# Altium PCB AD9838模块.PcbDoc
Units mil, origin at the board's own origin, x right, y up, seen from the top; angles counter-clockwise.
Board outline 1550 x 1550 mil, 2 copper layers (Top Layer, Bottom Layer); 57 components, 31 nets, 157 pads, 15 vias.
Unrouted connection lines stored in the file: 1.
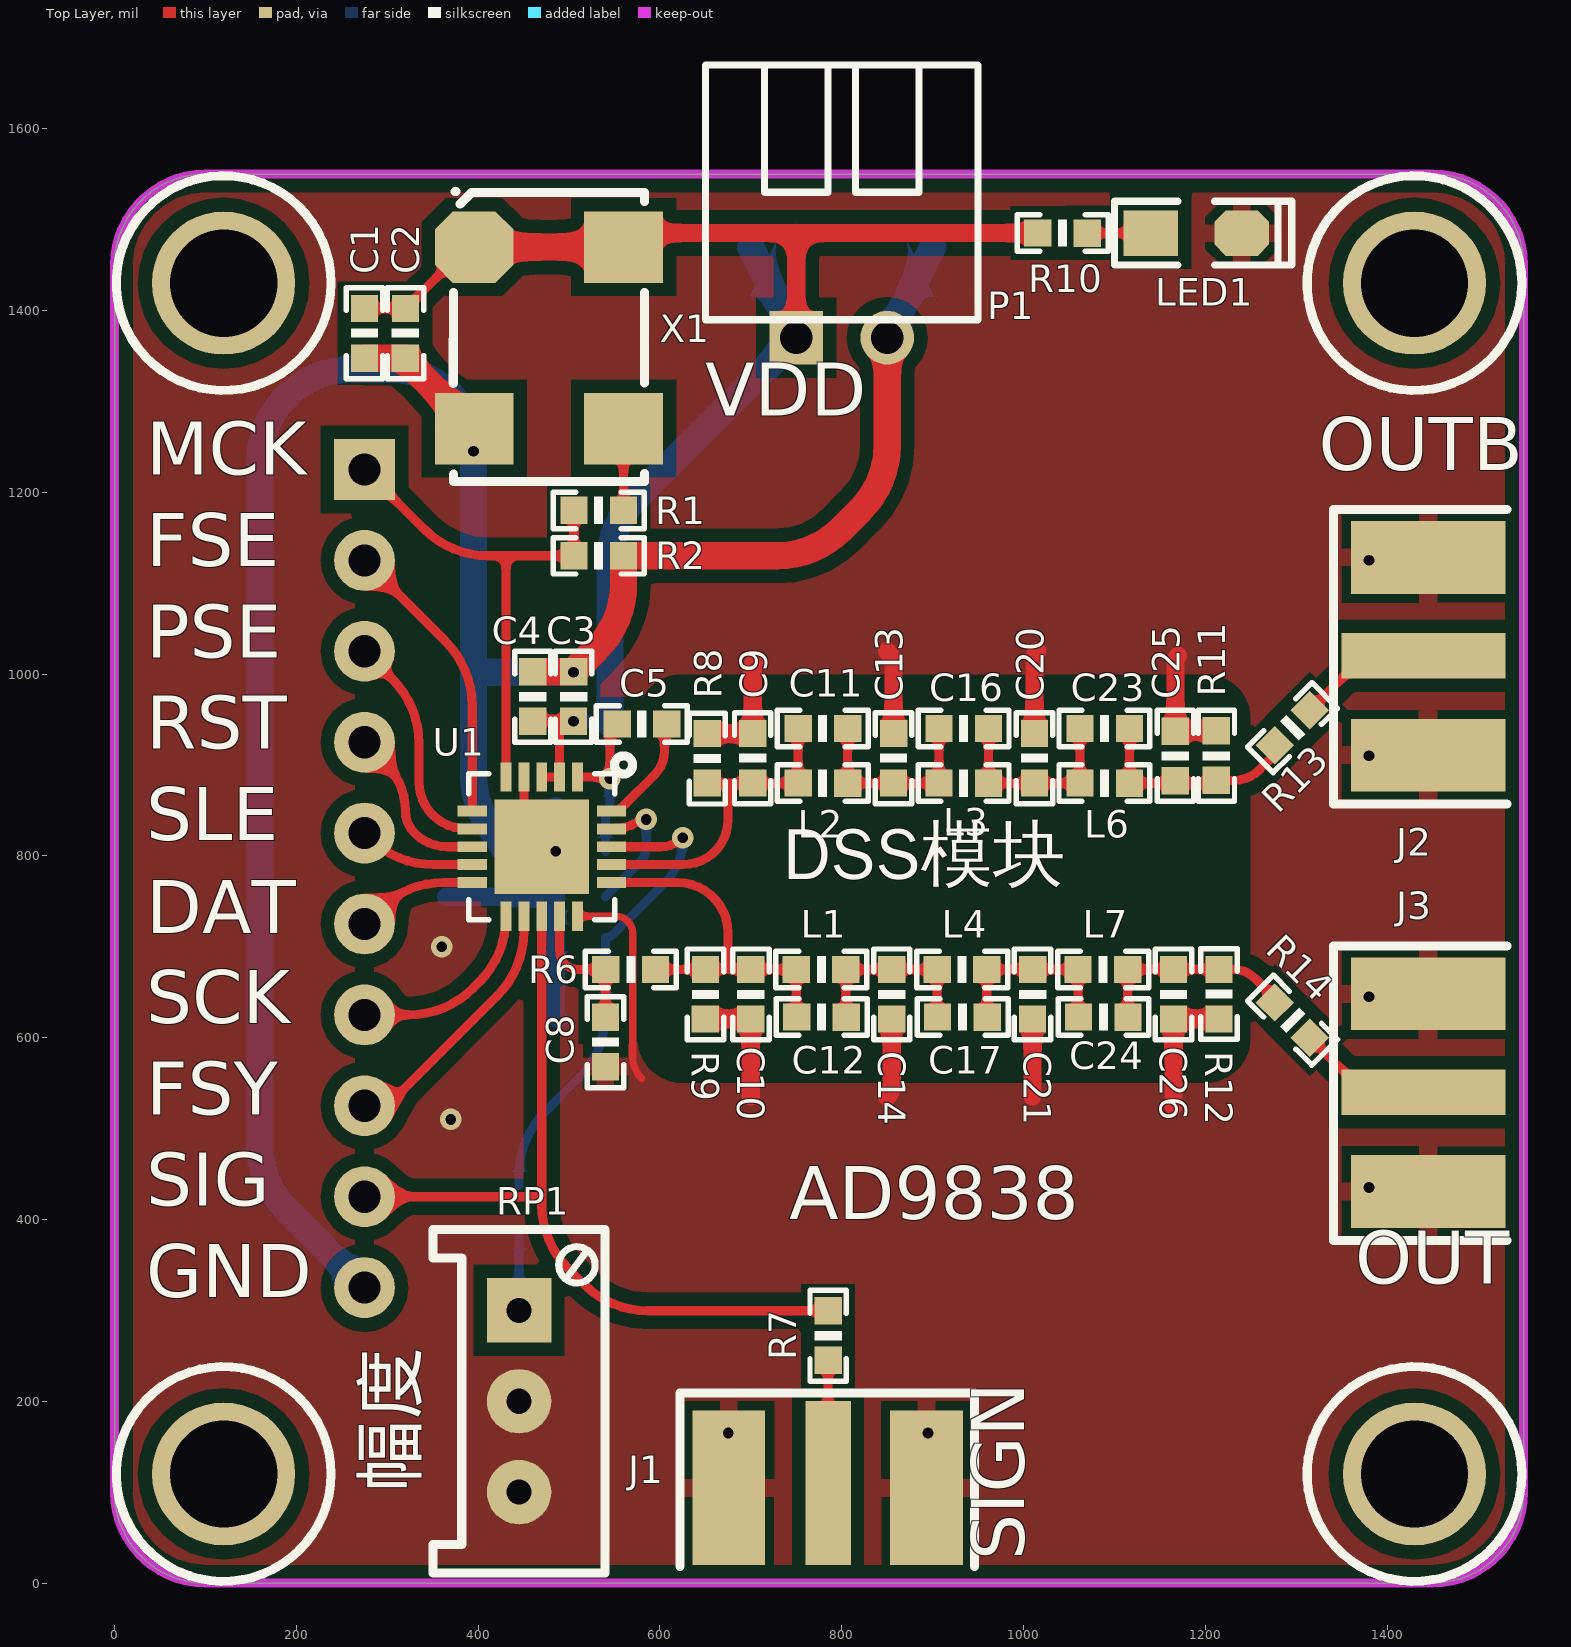
[diagram p0: Top Layer view]
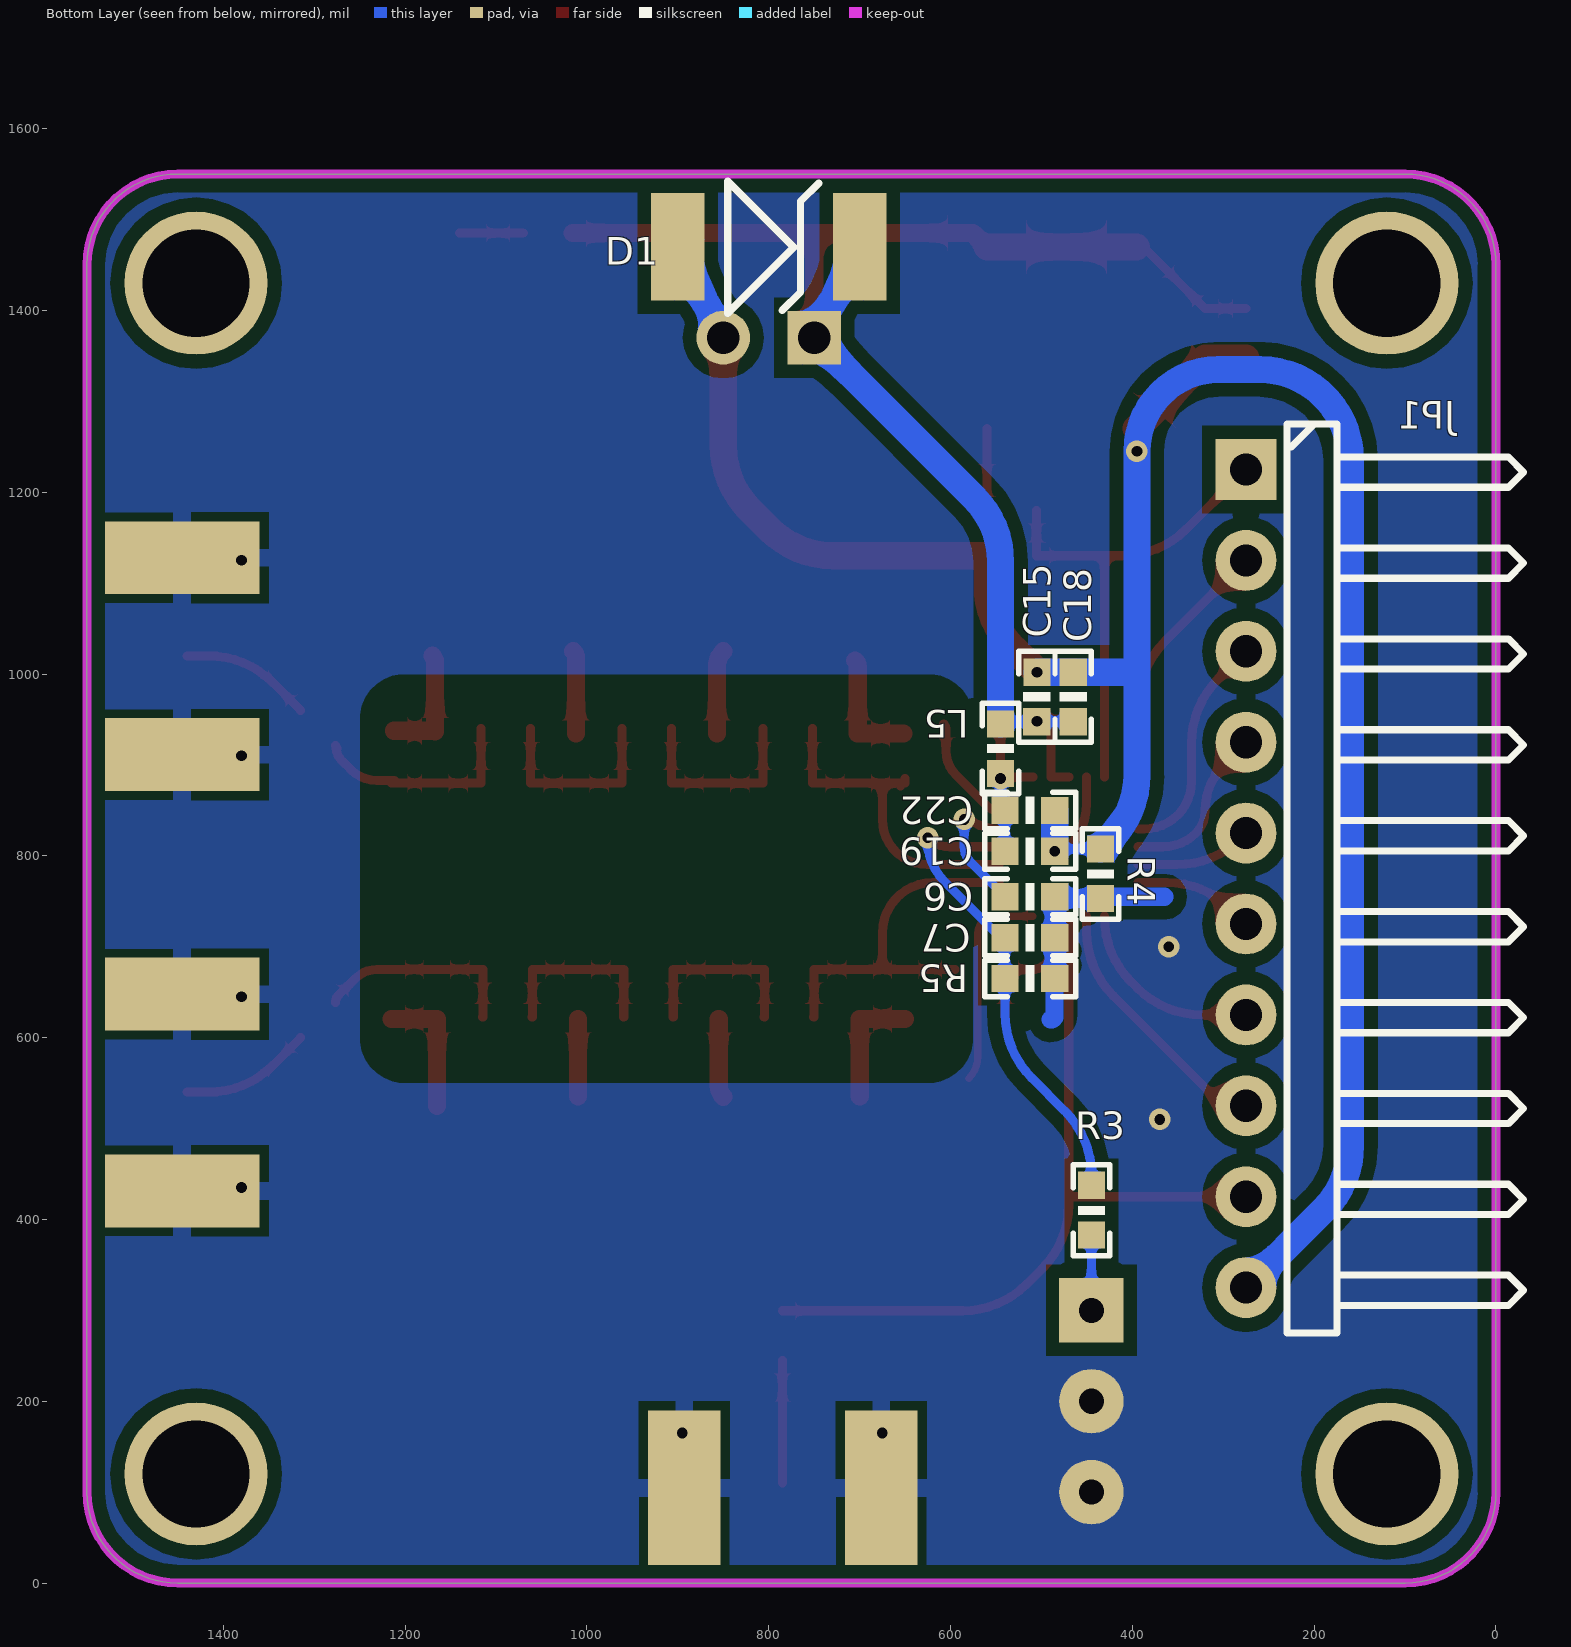
[diagram p1: Bottom Layer view, seen from below]

## Layer stack, top to bottom
Top Solder: solder mask 0.4, Solder Resist, Dk 3.5
Top Layer: signal copper 1.4
Dielectric 1: dielectric 12.6, FR-4, Dk 4.8
Bottom Layer: signal copper 1.4
Bottom Solder: solder mask 0.4, Solder Resist, Dk 3.5

## Board outline
0,100 0,1450 cw(c100,1450) 100,1550 1450,1550 cw(c1450,1450) 1550,1450 1550,100 cw(c1450,100) 1450,0 100,0 cw(c100,100)

## Design rules (kind name [scope] priority, off if disabled: settings)
Clearance [All] p1: gap=15 ignorepadtopadclearanceinfootprint=FALSE except(0: Arc-Hole Track-Hole SMDPad-Hole THPad-Hole Via-Hole Fill-Hole Poly-Hole Region-Hole Text-Hole; 6: Arc-Arc Arc-Track Arc-SMDPad Track-Track Track-SMDPad SMDPad-SMDPad; 10: Arc-THPad Arc-Via Arc-Text Track-THPad Track-Via Track-Text SMDPad-THPad SMDPad-Via SMDPad-Text THPad-THPad THPad-Via THPad-Text Via-Via Via-Text Fill-Text Poly-Text Region-Text Text-Text)
ComponentClearance [All] p1: gap=0 collisioncheckmode=3 verticalgap=0 showdistances=FALSE
PolygonConnect [All] p1: thpad.connectstyle=Direct thpad.reliefconductorwidth=10 thpad.reliefentries=4 thpad.polygonreliefangle="90 Angle" thpad.airgapwidth=10 smdpad.connectstyle=Relief smdpad.reliefconductorwidth=20 smdpad.reliefentries=4 smdpad.polygonreliefangle="90 Angle" smdpad.airgapwidth=10 via.connectstyle=Direct via.reliefconductorwidth=10 via.reliefentries=4 via.polygonreliefangle="90 Angle" via.airgapwidth=10
RoutingVias [All] p1: holewidth=28 width=50 viastyle="Through Hole" minholewidth=28 minwidth=50 maxholewidth=28 maxwidth=50
SolderMaskExpansion [All] p1: expansion=4
Width [All] p1: maxlimit=100 minlimit=8 preferedwidth=10
29 further rules are at their usual default settings.

## Components (designator, comment, footprint, x,y, rotation, side; value= is the part's Value field where it differs from the comment)
C1 "104" 0603P 275,1375 r270 top
C2 "104" 0603P 320,1375 r270 top
C3 "105" 0603P 505,975 r90 top
C4 "104" 0603P 460,975 r90 top
C5 "103" 0603P 580,945 r0 top
C6 "104" 0603P 512.5,754.94 r0 bottom
C7 "104" 0603P 512.5,709.94 r0 bottom
C8 "104" 0603P 540,595 r90 top
C9 "104" 0603P 702.06,907.5 r270 top
C10 "104" 0603P 699.94,647.5 r90 top
C11 "104" 0603P 779,940 r0 top
C12 "104" 0603P 777.94,622.5 r180 top
C13 "104" 0603P 857.06,907.5 r270 top
C14 "104" 0603P 854.94,647.5 r90 top
C15 "104" 0603P 505,975 r270 bottom
C16 "104" 0603P 934,940 r0 top
C17 "104" 0603P 932.94,622.5 r180 top
C18 "10uF" 0603P 465,975 r270 bottom
C19 "104" 0603P 512.5,804.94 r0 bottom
C20 "104" 0603P 1012.06,907.5 r270 top
C21 "104" 0603P 1009.94,647.5 r90 top
C22 "10uF" 0603P 512.5,849.94 r0 bottom
C23 "104" 0603P 1089,940 r0 top
C24 "104" 0603P 1087.94,622.5 r180 top
C25 "104" 0603P 1167,910 r270 top
C26 "104" 0603P 1164.94,647.5 r90 top
D1 "SMBJ3.3A" SMBJ 805,1470 r180 bottom
J1 "COAX" MCX5.08-5-H 785,110 r90 top
J2 "COAX" MCX5.08-5-H 1440,1020 r180 top
J3 "COAX" MCX5.08-5-H 1440,540 r180 top
JP1 "HDR-1X10" HDR-1X10_H 275,1225 r270 bottom
L1 "10um" 0603P 777.5,674.94 r180 top
L2 "10um" 0603P 779,880 r0 top
L3 "10um" 0603P 934,880 r0 top
L4 "10um" 0603P 932.5,674.94 r180 top
L5 "10um" 0603P 545,918 r270 bottom
L6 "10um" 0603P 1089,880 r0 top
L7 "10um" 0603P 1087.5,674.94 r180 top
LED1 "红色" "LED 0805G" 1190,1485 r0 top
P1 "Header 2" HDR2X1_B2 750,1370 r0 top
R1 "0R" 0603P 532.5,1180.06 r0 top
R2 "50R" 0603P 532.5,1130.06 r0 top
R3 "6.8K" 0603P 445,410 r90 bottom
R4 "0R" 0603P 435,780 r90 bottom
R5 "6.8K" 0603P 512.5,664.94 r0 bottom
R6 "300R" 0603P 568,675 r180 top
R7 "200R" 0603P 785,272 r90 top
R8 "200R" 0603P 652,907 r90 top
R9 "200R" 0603P 649.94,647.5 r90 top
R10 "1.1K" 0603P 1043,1485 r180 top
R11 "200R" 0603P 1212,910 r90 top
R12 "200R" 0603P 1215,648 r270 top
R13 "200R" 0603P 1295.91,940.91 r225 top
R14 "200R" 0603P 1295.91,619.09 r135 top
RP1 "10K" 3296W 445,200 r270 top
U1 "AD9838BCPZ-RL" CP_20_10 470,810 r270 top value=Value
X1 "XTAL" X-CPX75 471,1377.91 r270 top

## Footprints (in the part's own frame and the unit in brackets; to place one, negate y for a bottom-side part, rotate by r counter-clockwise, add the part's x,y. Pads: shape width x height; smd on the part's side, far side on the other; paste and mask are expansions set on the pad)
0603P [mil]
  rect 30x30 smd: 1(-27,0) 2(27.5,-0.06)
  silkscreen extent -50,-20 50,20
3296W [mm] "Precise Multi-Winding Adjustable Resistor"
  rect 1.8x1.8 hole 0.7: 1(-2.54,0)
  round 1.8 hole 0.7: 2(0,0) 3(2.54,0)
  silkscreen extent -4.8,-2.4 4.8,2.4, body extent -4.75,-2.4 4.75,2.4, height 11.52
CP_20_10 [mil]
  rect 32x12 smd mask+5: 1(-76.5,39.37) 2(-76.5,19.68) 3(-76.5,0) 4(-76.5,-19.68) 5(-76.5,-39.37) 11(76.5,-39.37) 12(76.5,-19.68) 13(76.5,0) 14(76.5,19.68) 15(76.5,39.37)
  rect 12x32 smd mask+5: 6(-39.37,-76.5) 7(-19.68,-76.5) 8(0,-76.5) 9(19.68,-76.5) 10(39.37,-76.5) 16(39.37,76.5) 17(19.68,76.5) 18(0,76.5) 19(-19.68,76.5) 20(-39.37,76.5)
  rect 104x104 smd mask-51.5: 21(0,0)
  silkscreen extent -100,-81 81,100, body extent -83,-83 83,83, height 31
HDR2X1_B2 [mm] "Connector; Header; 4 Position"
  rect 1.5x1.5 hole 0.9: 1(0,0)
  round 1.5 hole 0.9: 2(2.54,0)
  silkscreen extent -2.54,0.5 5.08,7.62, body extent -2.54,0.38 5.08,7.62, height 5.5
HDR-1X10_H [mm] "弯脚排针，10脚"
  rect 1.7x1.7 hole 0.9: 1(0,0)
  round 1.7 hole 0.9: 2(2.54,0) 3(5.08,0) 4(7.62,0) 5(10.16,0) 6(12.7,0) 7(15.24,0) 8(17.78,0) 9(20.32,0) 10(22.86,0)
  silkscreen extent -1.27,1.14 24.13,7.76, body extent -1.27,-1.27 24.13,7.77, height 4.85
"LED 0805G" [mil] "绿色0805LED"
  rect 60x50 smd: 1(-50,0)
  oct 60x50 smd: 2(50,0)
  silkscreen extent -90,-35 105,35, body extent -39,-25 39,25, height 32
MCX5.08-5-H [mil]
  rect 180x50 smd: 1(0,0)
  rect 170x80 smd: 2(-5,109.25) 5(-5,-108.27)
  rect 170x80 smd far side: 3(-5,108.66) 4(-5,-107.87)
  silkscreen extent -92,-161 99,163, body extent -93,-132 80,134, height 39
SMBJ [mm]
  rect 1.5x3 smd: 1(-2.413,0) 2(2.667,0)
  silkscreen extent -1.02,-1.85 1.52,1.83
X-CPX75 [mm]
  oct 2x2.2 smd: 1(-2.331,-1.915)
  rect 2x2.2 smd: 2(2.741,-1.915) 3(2.741,2.261) 4(-2.331,2.261)
  silkscreen extent -3.88,-2.5 4.23,2.84, body extent -3.86,-2.49 4.24,2.84, height 1.75

## Part data
C1 C2 C3 C4 C5 C6 C7 C8 C9 C10 C11 C12 C13 C14 C15 C16 C17 C18 C19 C20 C21 C22 C23 C24 C25 C26: library part C, "无极性贴片电容", BOM名称=无极性, 学习资源=www.ooocke.
D1: library part SMBJ, "TVS"
JP1: library part "Header 10", "10P接插件", BOM名称=10P接, 学习资源=www.ooocke.
L1 L2 L3 L4 L5 L6 L7: library part L, "小功率贴片电感", BOM名称=小功率, 学习资源=www.ooocke.
LED1: library part LED-SMD, "贴片LED", BOM名称=贴片, 学习资源=www.ooocke.
P1: "接插件", LatestRevisionDate=17-Jul-2002, LatestRevisionNote="Re-released for DXP Platform.", Publisher="Altium Limited"
R1 R2 R3 R4 R5 R6 R7 R8 R9 R10 R11 R12 R13 R14: library part R, "贴片电阻", BOM名称=ÌùÆ, 学习资源=www.ooocke.
RP1: library part RP-ID, "插件单联电位器", BOM名称=插件, 学习资源=www.ooocke.
U1: "DSS直接数字频率合成器", RefDes=RefDes, Type=Type
X1: library part XTAL_Oscillator, "有源晶振", Frequency=12MHz

## Free pads (board coordinates)
  round 157.48 hole 118.11: 1(120,1430) 2(120,120) 3(1430,120) 4(1430,1430)

## Via types
v1: diameter 23.62, hole 11.81, Top Layer to Bottom Layer, tented both sides, 13 vias
v2: diameter 23.62, hole 11.81, Top Layer to Bottom Layer, 2 vias

## Nets (pads, with @x,y where several pads share a name; then routed paths per layer and width w, separated by ;. In a path a pad name is that pad's centre, name@x,y a point inside that pad or via, vN(x,y) a via of type N, cw(c..) or ccw(c..) an arc to the next point about the centre after c; other vN are vias at no path point)
AGND: C6.1 C7.1 C8.1 C9.1 C10.1 C13.1 C14.1 C20.1 C21.1 C25.1 C26.1 J1.2 J1.3 J1.4 J1.5 J2.2 J2.3 J2.4 J2.5 J3.2 J3.3 J3.4 J3.5 LED1.2 R4.1 R5.1 R8.2 R9.1 R11.2 R12.2 RP1.2 RP1.3 U1.15 | length 1390.7
  Top Layer w8: U1.15 551.5,733.5 cw(c551.5,715) 570,715 570,579.14 ccw(c604.14,579.14) 580,555
  Top Layer w20: R9.1 C10.1 699.94,535.06 ; R8.2 C9.1 702.06,1007.91 cw(c712.09,1007.91) 705,1015 ; 850,535 ccw(c838.08,546.92) 854.94,546.92 C14.1 ; 850,1025 cw(c832.95,1007.95) 857.06,1007.95 C13.1 ; 1009.94,535.06 C21.1 ; C20.1 1012.06,1017.91 cw(c1022.09,1017.91) 1015,1025 ; 1165,525 1164.94,525.06 C26.1 R12.2 ; 1170,1020 ccw(c1177.24,1012.76) 1167,1012.76 C25.1 cw(c1168.21,935.79) 1168.21,937.5 R11.2
  Bottom Layer w10: C6.1@480.83,753 ccw(c480.83,759.61) C6.1
  Bottom Layer w20: 365,755 433,755 cw(c433,753) R4.1 C6.1@480.83,753 ; C6.1 C7.1 R5.1 485.5,624.5 ccw(c490,624.5) 490,620
  other v1: 675,165 895,165 1380,435 1380,645 1380,910 1380,1125
  other v2: 370,510 360,700
AVDD: C5.1 C19.2 C22.2 L5.2 U1.1 | length 174.5
  Top Layer w10: U1.1 536.38,886.5 v1@538.11,887.71 ; v1(545,885) 545,937 C5.1
  Bottom Layer w10: C19.2 C22.2 545,855 v1(545,885)
FSELECT: JP1.2 U1.6 | length 320.4
  Top Layer w10: JP1.2 364.21,1035.79 cw(c293.5,965.08) 393.5,965.08 U1.6
FSYNC: JP1.8 U1.12 | length 288.9
  Top Layer w10: JP1.8 ccw(c275,585.36) 317.68,542.68 421.03,646.03 ccw(c350.32,716.74) 450.32,716.74 U1.12
GND: C1.2 C2.2 C3.2 C4.2 C15.1 C18.1 C19.1 C22.1 D1.1 JP1.10 P1.2 R2.2 R4.2 U1.4 U1.21 X1.2 | length 2979.9
  Top Layer w10: U1.4 450.32,857.52 ccw(c517.52,857.52) U1.21 475.06,804.94 v1(485.5,804.94)
  Top Layer w30: C1.2 C2.2 ccw(c324.39,1347.5) 321.24,1344.35 X1.2 ; C4.2@465,1002.5 C3.2@505,1002.5 ; C3.2 530.71,1028.15 ccw(c460,1098.86) 560,1098.86 R2.2 728.58,1130 ccw(c728.58,1230) 799.29,1159.29 820.71,1180.71 ccw(c750,1251.42) 850,1251.42 P1.2
  Bottom Layer w10: R4.2 479.31,807.5 cw(c479.31,798.75) v1(485.5,804.94)
  Bottom Layer w30: JP1.10 189.29,410.71 cw(c260,481.42) 160,481.42 160,1235 cw(c260,1235) 260,1335 305,1335 cw(c305,1245) 386.21,1283.79 cw(c305,1245) v1(395,1245) 395,995 ; R4.2 424.29,818.15 cw(c495,888.86) 395,888.86 395,995 ; v1(485.5,804.94) C22.1 ; v1(505,1002) C18.1 411.9,1002 ccw(c411.9,978.1) 395,995 ; P1.2 D1.1
IC: C7.2 R3.2 R5.2 U1.18 | length 525.7
  Top Layer w10: U1.18 600.86,810 ccw(c600.86,844.14) v1(625,820)
  Bottom Layer w10: R3.2 444.94,448.51 cw(c544.94,448.51) 474.23,519.23 510.71,555.71 ccw(c440,626.42) 540,626.42 R5.2 C7.2 ccw(c540,722.07) 548.54,713.54 606.32,771.32 ccw(c561.21,816.42) 623.13,801.1 ccw(c561.21,816.42) v1@625,816.42
MCLK: JP1.1 R1.1 R2.1 U1.5 | length 544.9
  Top Layer w10: JP1.1@285,1215 340.65,1159.35 ccw(c411.36,1230.06) 411.36,1130.06 430.63,1130.06 ; U1.5 430.63,1130.06 ; R1.1 R2.1 430.63,1130.06
NetC5_2: C5.2 U1.20 | length 122.7
  Top Layer w10: U1.20 ccw(c546.5,868.37) 559.94,854.94 594.39,889.39 ccw(c568.79,915) 605,915 605,938.9 cw(c613.54,938.9) C5.2
NetC6_2: C6.2 U1.19 | length 153.7
  Top Layer w10: U1.19 548.03,829.68 ccw(c548.03,881.97) v1@585,845 ; v1@582.5,842.5 v1@585,845 ; v1(585,840) v1@585,845
  Bottom Layer w10: C6.2 577.93,792.93 ccw(c560.86,810) 585,810 v1(585,840)
NetC8_2: C8.2 R6.2 U1.14 | length 153.2
  Top Layer w10: U1.14 489.68,695.32 ccw(c510,695.32) 510,675 R6.2@540.06,675 ; C8.2 R6.2@540.06,675 ; R6.2 540.5,675 R6.2@540.06,675
NetC9_2: C9.2 C11.1 L2.1 R8.1 U1.17 | length 366.6
  Top Layer w10: U1.17 625.32,790.32 ccw(c625.32,840) 675,840 675,880 ; R8.1@650,880 R8.1@650,885 ; R8.1@655,877 ccw(c652,877) R8.1 675,880 ; C11.1 L2.1 C9.2 675,880
NetC10_2: C10.2 C12.2 L1.2 R6.1 R9.2 U1.16 | length 408.1
  Top Layer w10: U1.16 619.37,770.63 cw(c619.37,715) 675,715 675,675 ; R6.1 R9.2 675,675 ; C12.2 750,622.56 L1.2 C10.2 675,675
NetC11_2: C11.2 C13.2 C16.1 L2.2 L3.1 | length 220.5
  Top Layer w10: L2.2 L2.2@806.5,880 ; C11.2 L2.2@806.5,880 ; C16.1 L3.1 C13.2 L2.2@806.5,880
NetC12_1: C12.1 C14.2 C17.2 L1.1 L4.2 | length 206.2
  Top Layer w10: C12.1 804.5,622.5 L1.1 L4.2@905,674.94 ; L4.2 L4.2@905,674.94 ; C17.2 905,622.56 L4.2@905,674.94
NetC16_2: C16.2 C20.2 C23.1 L3.2 L6.1 | length 220.6
  Top Layer w10: C16.2 L3.2 1062,879.94 L6.1 C23.1
NetC17_1: C17.1 C21.2 C24.2 L4.1 L7.2 | length 206.2
  Top Layer w10: C17.1 959.5,622.5 L4.1 L7.2@1060,674.94 ; L7.2 L7.2@1060,674.94 ; C24.2 1060,622.56 L7.2@1060,674.94
NetC23_2: C23.2 C25.2 L6.2 R11.1 R13.2 | length 250.6
  Top Layer w10: L6.2 L6.2@1116.5,880 ; C23.2 L6.2@1116.5,880 ; R13.2@1274.94,917.94 ccw(c1271.37,921.51) R13.2 cw(c1252.06,921.51) 1269.28,904.28 1260,895 cw(c1231.03,923.97) 1231.03,883 R11.1 ccw(c1215,883) 1215,880 1212,880 L6.2@1116.5,880
NetC24_1: C24.1 C26.2 L7.1 R12.1 R14.2 | length 230.9
  Top Layer w10: C24.1 1114.5,622.5 L7.1 1114.5,675 C26.2 R12.1 1230.86,675 cw(c1230.86,640.86) 1255,665 1273.04,646.96 cw(c1264.66,638.58) R14.2
NetJ1_1: J1.1 R7.1 | length 135
  Top Layer w10: J1.1 R7.1
NetJ2_1: J2.1 R13.1 | length 145.5
  Top Layer w10: R13.1 1345.71,990.71 cw(c1416.42,920) 1416.42,1020 J2.1
NetJ3_1: J3.1 R14.1 | length 145.5
  Top Layer w10: R14.1 1345.71,569.29 ccw(c1416.42,640) 1416.42,540 J3.1
NetLED1_1: LED1.1 R10.1 | length 70
  Top Layer w10: R10.1 LED1.1
NetR1_2: R1.2 X1.3 | length 90
  Top Layer w10: R1.2 X1.3
NetR3_1: R3.1 RP1.1 | length 83
  Bottom Layer w10: RP1.1 R3.1
PSELECT: JP1.3 U1.7 | length 252.2
  Top Layer w10: JP1.3 305.71,994.29 cw(c235,923.58) 335,923.58 335,881.21 ccw(c386.21,881.21) 350,845 ccw(c386.97,881.97) 386.97,829.68 U1.7
RESET: JP1.4 U1.8 | length 185.6
  Top Layer w10: JP1.4 298.18,901.82 cw(c245.5,849.14) 320,849.14 ccw(c354.14,849.14) 330,825 ccw(c366.21,861.21) 366.21,810 U1.8
SCLK: JP1.7 U1.11 | length 217.1
  Top Layer w10: JP1.7 323.58,625 ccw(c323.58,725) 394.29,654.29 401.34,661.34 ccw(c330.63,732.05) 430.63,732.05 U1.11
SDATA: JP1.6 U1.10 | length 133.1
  Top Layer w10: JP1.6 291.34,741.34 cw(c362.05,670.63) 362.05,770.63 U1.10
SIGN: JP1.9 R7.2 U1.13 | length 891.3
  Top Layer w10: JP1.9 467.24,425 ccw(c467.24,436.81) 470,425.33 ; U1.13 470,425.33 ; R7.2 586.92,299.5 cw(c586.92,399.5) 516.21,328.79 499.29,345.71 cw(c570,416.42) 470,416.42 470,425.33
SLEEP: JP1.5 U1.9 | length 129
  Top Layer w10: JP1.5@275.32,825.32 JP1.5 280.4,819.6 ccw(c351.11,890.32) 351.11,790.32 U1.9
VDD: C1.1 C2.1 C3.1 C4.1 C15.2 C18.2 D1.2 L5.1 P1.1 R10.2 U1.2 U1.3 X1.1 X1.4 | length 1724.6
  Top Layer w10: C1.1 C2.1 382.09,1464.09 cw(c395.59,1450.6) X1.1 ; C4.1@460,950 495,950 C3.1@490,945 ; U1.3 U1.2 489.68,944.68 C3.1@490,945 ; v1(505,948) 505,947 507,945 C3.1@490,945
  Top Layer w20: X1.4 575.38,1485.06 750,1485.06 ; P1.1 750,1485.06 ; R10.2 750,1485.06
  Top Layer w30: X1.1 X1.4
  Bottom Layer w10: C18.2@470,945 473,948 v1(505,948) ; C15.2 538.96,947.5 cw(c538.96,938.96) L5.1
  Bottom Layer w30: L5.1 545,1123.58 cw(c645,1123.58) 574.29,1194.29 P1.1 D1.2

## Polygon pours and split planes (outlines as drawn)
AGND on Bottom Layer "Top Layer-No Net1" (solid, remove dead copper, pour order 1): 0,100 0,1450 cw(c100,1450) 100,1550 1450,1550 cw(c1450,1450) 1550,1450 1550,100 cw(c1450,100) 1450,0 100,0 cw(c100,100)
AGND on Top Layer "Top Layer-No Net" (solid, remove dead copper, pour order 0): 0,100 0,1450 cw(c100,1450) 100,1550 1450,1550 cw(c1450,1450) 1550,1450 1550,100 cw(c1450,100) 1450,0 100,0 cw(c100,100)

## Keep-outs
Keep-Out Layer:
  the board outline again, w10

## Other copper
Top Layer:
  pour cut-out: 625,1000 1200,1000 cw(c1200,950) 1250,950 1250,600 cw(c1200,600) 1200,550 625,550 cw(c625,600) 575,600 575,950 cw(c625,950)
Bottom Layer:
  pour cut-out: 625,1000 1200,1000 cw(c1200,950) 1250,950 1250,600 cw(c1200,600) 1200,550 625,550 cw(c625,600) 575,600 575,950 cw(c625,950)

## Silkscreen, mask and mechanical layers (free items; w line width, h text height)
Top Overlay:
  circle w10: c120,120 r118.11
  circle w10: c1430,120 r118.11
  circle w10: c1430,1430 r118.11
  circle w10: c120,1430 r118.11
  text "VDD" at 650,1265 h100
  text "OUTB" at 1325,1205 h100
  text "MCK" at 35,1200 h100
  text "FSE" at 35,1099.44 h100
  text "PSE" at 35,998.89 h100
  text "RST" at 35,898.33 h100
  text "SLE" at 35,797.78 h100
  text "DSS模块" at 735,755 h100
  text "DAT" at 35,695.83 h100
  text "SCK" at 35,596.67 h100
  text "FSY" at 35,496.11 h100
  text "SIG" at 35,395.56 h100
  text "AD9838" at 742.2,380.75 h100
  text "OUT" at 1365,310 h100
  text "GND" at 35,295 h100
  text "幅度" at 350,100 h100 r90
  text "SIGN" at 1020,25 h100 r90
Top Solder:
  rectangle: 420,760 520,860